# Altium PCB IPMC_TestBoard_PCB.PcbDoc (part 2 of 3)
Units mil, origin at the board's own origin, x right, y up, seen from the top; angles counter-clockwise.
Board outline 5433.07 x 5551.18 mil, 4 copper layers (Component Side, Ground Plane, Power Plane, Solder Side), stack 61.434 mil thick; 87 components, 228 nets, 1067 pads, 580 vias.
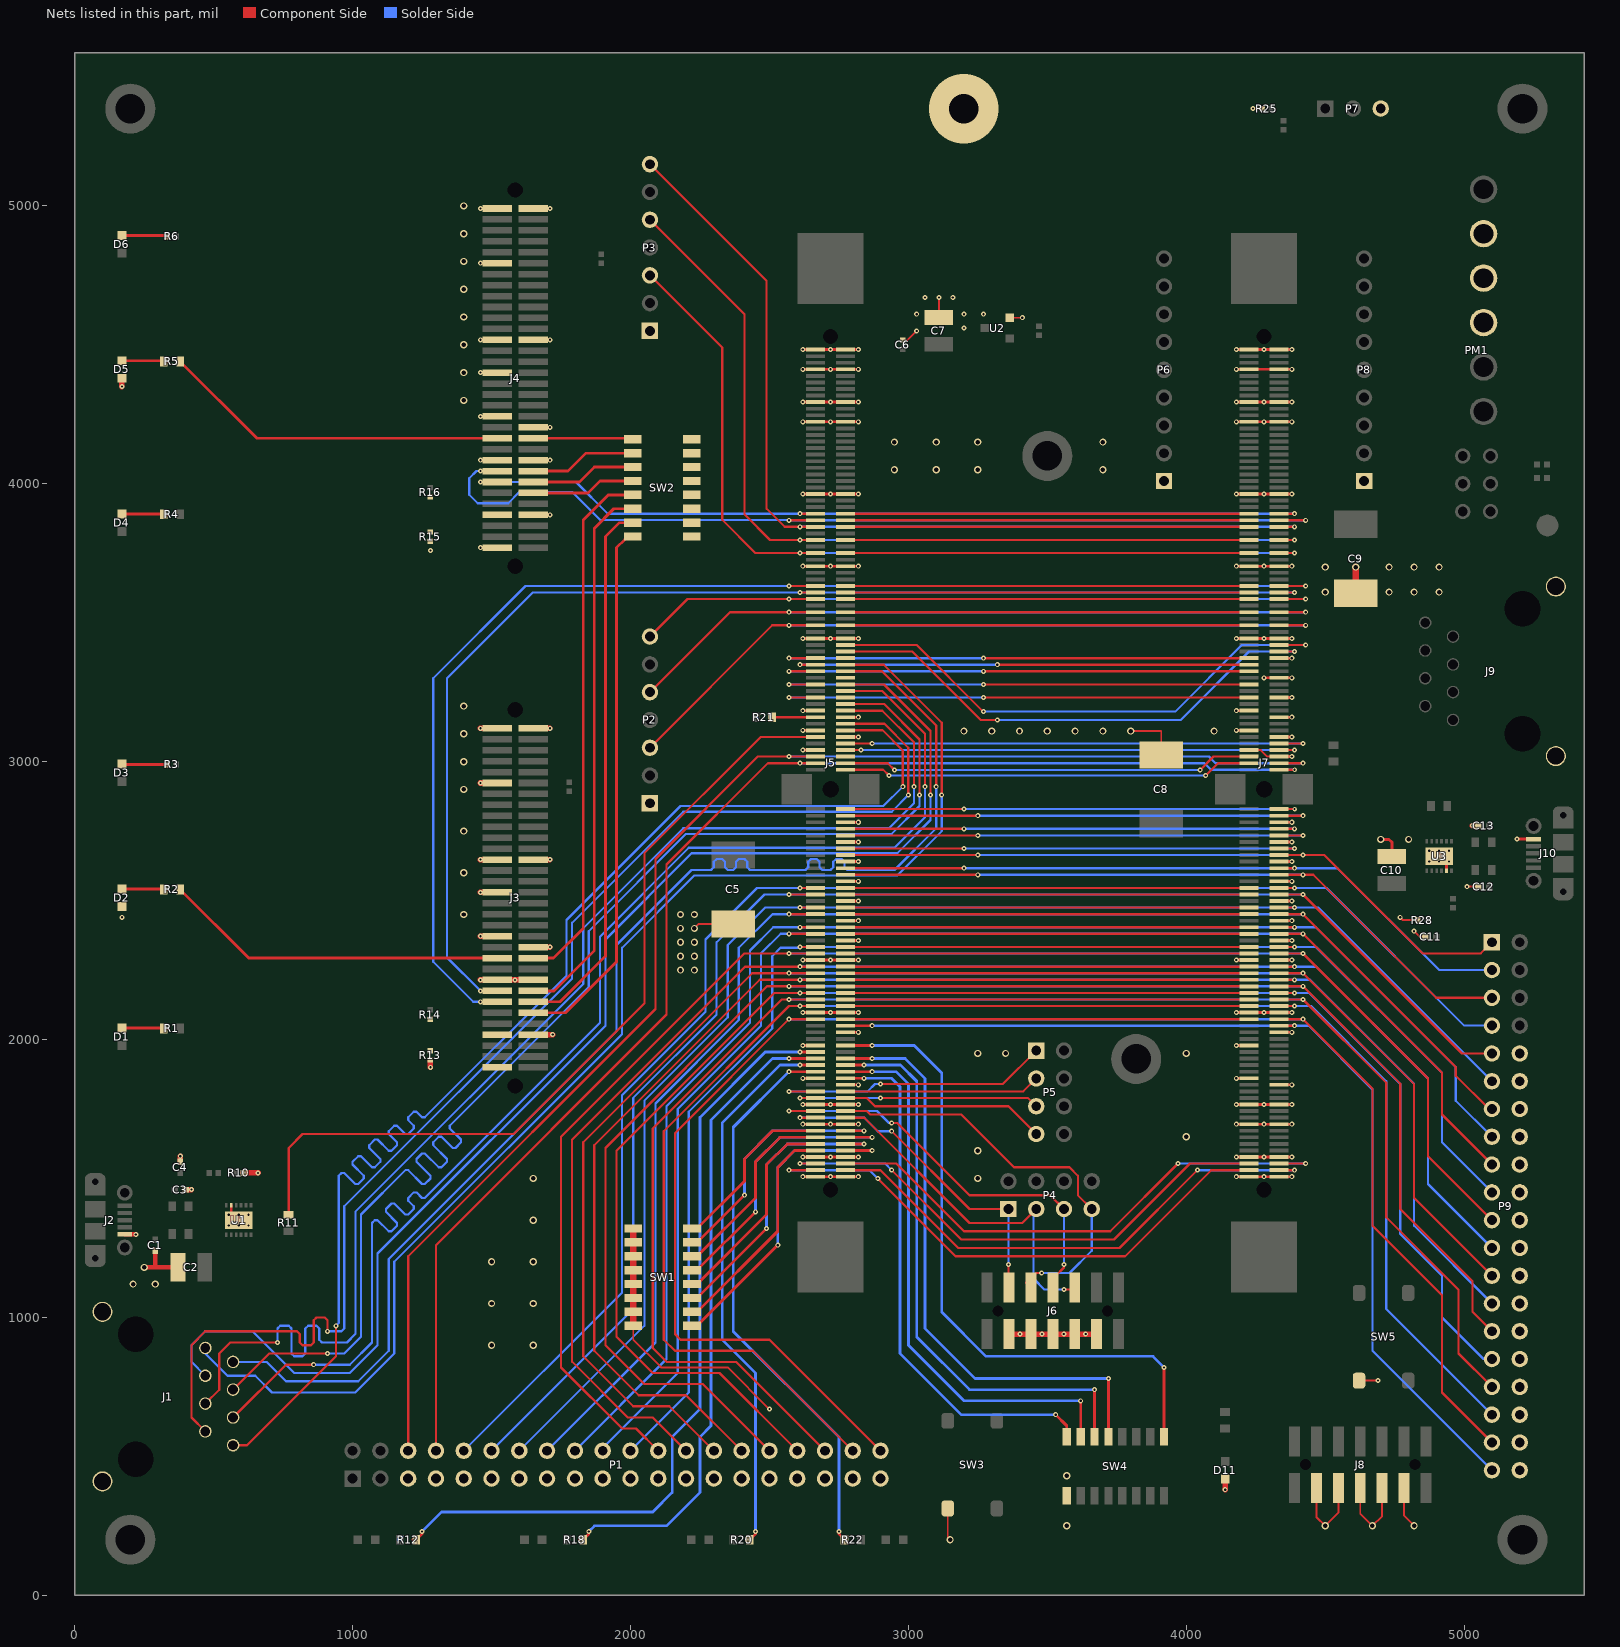
[diagram p4: the nets of this part, all layers, seen from the top]

## Via types
v1: diameter 18, hole 8, Component Side to Solder Side, tented both sides, 426 vias
v2: diameter 26, hole 16, Component Side to Solder Side, tented both sides, 132 vias
v3: diameter 18, hole 8, Component Side to Solder Side, 12 vias
v4: diameter 168, hole 106.3, Component Side to Solder Side, 4 vias
v5: diameter 17, hole 8, Component Side to Solder Side, tented both sides, 4 vias
v6: diameter 250, hole 106.3, Component Side to Solder Side, 2 vias

## Nets (pads, with @x,y where several pads share a name; then routed paths per layer and width w, separated by ;. In a path a pad name is that pad's centre, name@x,y a point inside that pad or via, vN(x,y) a via of type N, cw(c..) or ccw(c..) an arc to the next point about the centre after c; other vN are vias at no path point) (continued)
GND: C1.1 C2.1 C3.1 C4.1 C5.2 C6.1 C7.1 C8.2 C9.2 C10.1 C11.1 C12.1 C13.1 D2.2 D5.2 D11.2 J1.9 J1.10 J2.5 J3.2 J3.7 J3.17 J3.18 J3.23 J3.26 J3.34 J3.39 J3.40 J3.54 J3.63 J3.64 J4.2 J4.7 J4.17 J4.18 J4.23 J4.26 J4.34 J4.39 J4.40 J4.54 J4.63 J4.64 J5.1 J5.4 J5.9 J5.12 J5.23 J5.34 J5.45 J5.56 J5.59 J5.62 J5.89 J5.97 J5.102 J5.107 J5.111 J5.114 J5.119 J5.122 J5.123 J5.126 J5.131 J5.134 J5.145 J5.156 J5.167 J5.170 J5.173 J5.176 J5.179 J5.182 J5.185 J5.190 J5.193 J5.196 J5.199 J5.202 J5.205 J5.208 J5.211 J5.219 J5.222 J5.230 J5.233 J5.236 J5.241 J5.244 J6.3 J6.5 J6.7 J6.9 J6.11 J7.1 J7.4 J7.9 J7.12 J7.23 J7.34 J7.45 J7.56 J7.59 J7.62 J7.89 J7.97 J7.102 J7.107 J7.111 J7.114 J7.119 J7.122 J7.123 J7.126 J7.131 J7.134 J7.145 J7.156 J7.167 J7.170 J7.173 J7.176 J7.179 J7.182 J7.185 J7.190 J7.193 J7.196 J7.199 J7.202 J7.205 J7.208 J7.211 J7.219 J7.222 J7.230 J7.233 J7.236 J7.241 J7.244 J8.3 J8.5 J8.7 J8.9 J8.11 J9.9 J9.10 J10.5 P1.5 P1.7 P1.9 P1.11 P1.13 P1.15 P1.17 P1.19 P1.21 P1.23 P1.25 P1.27 P1.29 P1.31 P1.33 P1.35 P1.37 P1.39 P2.1 P3.1 P6.1 P7.3 P8.1 P9.10 P9.12 P9.14 P9.16 P9.18 P9.20 P9.22 P9.24 P9.26 P9.28 P9.30 P9.32 P9.34 P9.36 P9.38 P9.40 PM1.9 PM1.10 PM1.11 R10.1 R13.1 R15.1 R25.1 R28.1 SW1.1 SW1.2 SW1.3 SW1.4 SW1.5 SW1.6 SW1.7 SW1.8 SW2.1 SW2.2 SW2.3 SW2.4 SW2.5 SW2.6 SW2.7 SW2.8 SW3.4 SW4.1 SW5.4 U1.5 U1.13 U2.2 U3.5 U3.13 | length 12081.4
  Component Side w7: SW1.8@2010,970 2010,920 2110,820 2350,820 v1(2500,670) ; v2(2230,2400) 2245.98,2415.98 C5.2@2370,2415.98 ; C6.1@2980,4516.34 2996.34,4516.34 v1(3030,4550) ; C7.1@3110,4598.23 v1(3110,4670) ; SW3.4@3141.81,312.52 3141.81,208.19 v2(3150,200) ; U2.2@3365.08,4597.4 v1(3410,4597.4) ; v2(3800,3110) 3910,3110 C8.2@3910,3024.02 ; J7.62@4225.67,3041.73 4268.27,3041.73 4291.89,3018.11 J7.185@4334.33,3018.11 ; v1(4240,5350) R25.1@4273.66,5350 ; J8.3@4468.74,386.14 4468.74,281.26 v2(4500,250) 4547.48,297.48 J8.5@4547.48,386.14 ; SW5.4@4621.81,772.52 v1(4690,772.52) ; J8.7@4626.22,386.14 4626.22,293.78 v2(4670,250) 4704.96,284.96 J8.9@4704.96,386.14 ; v1(4770,2440) 4780,2430 R28.1@4833.66,2430 ; J8.11@4783.7,386.14 4783.7,286.3 v2(4820,250) ; v1(4820,2390) 4840,2370 C11.1@4860.31,2370 ; v1(5010,2550) C12.1@5050.32,2550
  Component Side w10: U1.5@563.43,1403.15 563.43,1376.57 580.16,1359.84 U1.13@590,1350 ; v1(1460,3770) J4.2@1520,3770 ; v1(1460,4084.96) J4.18@1520,4084.96 ; v1(1460,4242.44) J4.26@1520,4242.44 ; v1(1460,4400) 1519.92,4400 J4.34@1520,4399.92 ; v1(1460,4518.03) J4.40@1520,4518.03 ; v1(1460,4793.62) J4.54@1520,4793.62 ; v1(1460,4990.47) J4.64@1520,4990.47 ; J4.7@1649.92,3888.11 v1(1710,3888.11) ; J4.17@1649.92,4084.96 v1(1710,4084.96) ; J4.23@1649.92,4203.07 v1(1710,4203.07) ; J4.39@1649.92,4518.03 v1(1710,4518.03) ; J4.63@1649.92,4990.47 v1(1710,4990.47) ; v1(2620,1506.3) J5.122@2665.67,1506.3 v1(2720,1506.3) J5.244@2774.33,1506.3 v1(2820,1506.3) ; v1(2620,1577.17) J5.119@2665.67,1577.17 v1(2720,1577.17) J5.241@2774.33,1577.17 v1(2820,1577.17) ; v1(2620,1695.28) J5.114@2665.67,1695.28 v1(2720,1695.28) J5.236@2774.33,1695.28 v1(2820,1695.28) ; v1(2620,1766.14) J5.111@2665.67,1766.14 v1(2720,1766.14) J5.233@2774.33,1766.14 v1(2820,1766.14) ; v1(2620,1860.63) J5.107@2665.67,1860.63 ; v1(2620,1978.74) J5.102@2665.67,1978.74 ; v1(2620,2096.85) J5.97@2665.67,2096.85 v1(2720,2096.85) J5.219@2774.33,2096.85 v1(2820,2096.85) ; v1(2620,2285.83) J5.89@2665.67,2285.83 v1(2720,2285.83) J5.211@2774.33,2285.83 v1(2820,2285.83) ; v1(2620,3041.73) J5.62@2665.67,3041.73 ; v1(2620,3112.6) J5.59@2665.67,3112.6 ; v1(2620,3183.46) J5.56@2665.67,3183.46 ; v1(2620,3443.31) J5.45@2665.67,3443.31 v1(2720,3443.31) J5.167@2774.33,3443.31 v1(2820,3443.31) ; v1(2620,3703.15) J5.34@2665.67,3703.15 v1(2720,3703.15) J5.156@2774.33,3703.15 v1(2820,3703.15) ; v1(2620,3962.99) J5.23@2665.67,3962.99 v1(2720,3962.99) J5.145@2774.33,3962.99 v1(2820,3962.99) ; v1(2620,4222.83) J5.12@2665.67,4222.83 v1(2720,4222.83) J5.134@2774.33,4222.83 v1(2820,4222.83) ; v1(2620,4293.7) J5.9@2665.67,4293.7 v1(2720,4293.7) J5.131@2774.33,4293.7 v1(2820,4293.7) ; v1(2620,4411.81) J5.4@2665.67,4411.81 v1(2720,4411.81) J5.126@2774.33,4411.81 v1(2820,4411.81) ; v1(2620,4482.68) J5.1@2665.67,4482.68 v1(2720,4482.68) J5.123@2774.33,4482.68 v1(2820,4482.68) ; J5.230@2774.33,1837.01 v1(2820,1837.01) ; J5.222@2774.33,2025.98 v1(2820,2025.98) ; J5.208@2774.33,2356.69 v1(2820,2356.69) ; J5.205@2774.33,2427.56 v1(2820,2427.56) ; J5.202@2774.33,2498.43 v1(2820,2498.43) ; J5.199@2774.33,2569.29 v1(2820,2569.29) ; J5.196@2774.33,2640.16 v1(2819.84,2640.16) v1@2820,2640 ; J5.193@2774.33,2711.02 v1(2820,2711.02) ; J5.190@2774.33,2781.89 v1(2820,2781.89) ; J5.182@2774.33,3088.98 v1(2820,3088.98) ; J5.179@2774.33,3159.84 2820,3159.84 v1(2820,3160) ; v1(4180,1506.3) J7.122@4225.67,1506.3 v1(4280,1506.3) J7.244@4334.33,1506.3 v1(4380,1506.3) ; v1(4180,1577.17) J7.119@4225.67,1577.17 v1(4280,1577.17) J7.241@4334.33,1577.17 v1(4380,1577.17) ; v1(4180,1695.28) J7.114@4225.67,1695.28 v1(4280,1695.28) J7.236@4334.33,1695.28 v1(4380,1695.28) ; v1(4180,1766.14) J7.111@4225.67,1766.14 v1(4280,1766.14) J7.233@4334.33,1766.14 v1(4380,1766.14) ; v1(4180,1860.63) J7.107@4225.67,1860.63 ; v1(4180,1978.74) J7.102@4225.67,1978.74 ; v1(4180,2096.85) J7.97@4225.67,2096.85 v1(4280,2096.85) J7.219@4334.33,2096.85 v1(4380,2096.85) ; v1(4180,2285.83) J7.89@4225.67,2285.83 ; v1(4180,3112.6) J7.59@4225.67,3112.6 ; v1(4180,3183.46) J7.56@4225.67,3183.46 ; v1(4180,3443.31) J7.45@4225.67,3443.31 v1(4280,3443.31) J7.167@4334.33,3443.31 v1(4380,3443.31) ; v1(4180,3703.15) J7.34@4225.67,3703.15 v1(4280,3703.15) J7.156@4334.33,3703.15 v1(4380,3703.15) ; v1(4180,3962.99) J7.23@4225.67,3962.99 v1(4280,3962.99) J7.145@4334.33,3962.99 v1(4380,3962.99) ; v1(4180,4222.83) J7.12@4225.67,4222.83 v1(4280,4222.83) J7.134@4334.33,4222.83 v1(4380,4222.83) ; v1(4180,4293.7) J7.9@4225.67,4293.7 v1(4280,4293.7) J7.131@4334.33,4293.7 v1(4380,4293.7) ; v1(4180,4411.81) J7.4@4225.67,4411.81 J7.126@4334.33,4411.81 v1(4380,4411.81) ; v1(4180,4482.68) J7.1@4225.67,4482.68 v1(4280,4482.68) J7.123@4334.33,4482.68 v1(4380,4482.68) ; v1(4280,3301.57) J7.173@4334.33,3301.57 v1(4380,3301.57) ; J7.230@4334.33,1837.01 v1(4380,1837.01) ; J7.222@4334.33,2025.98 v1(4380,2025.98) ; J7.211@4334.33,2285.83 v1(4380,2285.83) ; J7.208@4334.33,2356.69 v1(4380,2356.69) ; J7.205@4334.33,2427.56 v1(4380,2427.56) ; J7.202@4334.33,2498.43 v1(4380,2498.43) ; J7.199@4334.33,2569.29 v1(4380,2569.29) ; J7.196@4334.33,2640.16 v1(4380,2640.16) ; J7.193@4334.33,2711.02 v1(4380,2711.02) ; J7.190@4334.33,2781.89 v1(4380,2781.89) ; J7.185@4334.33,3018.11 v1(4380,3018.11) ; J7.182@4334.33,3088.98 v1(4380,3088.98) ; J7.179@4334.33,3159.84 v1(4380,3159.84) ; J7.176@4334.33,3230.71 v1(4380,3230.71) ; J7.170@4334.33,3372.44 v1(4380,3372.44) ; v2(4700,2720) 4730,2720 4740,2710 C10.1@4740,2658.23 ; U3.13@4910,2660 4919.84,2650.16 4936.57,2633.43 U3.5@4936.57,2606.85 ; v1(5190,2721.18) J10.5@5230,2721.18
  Component Side w16: J2.5@180,1298.82 v1(220,1298.82) ; v2(250,1180) 290,1180 ; C1.1@290,1240.32 290,1180 ; C2.1@371.77,1180 290,1180
  Component Side w20: v1(170,4350) D5.2@170,4380 ; C4.1@380,1559.69 v1(380,1580) ; C3.1@399.69,1460 v1(420,1460) ; R10.1@606.34,1520 v1(660,1520) ; v1(1280,1900) R13.1@1280,1927.32 ; v1(1460,2214.49) J3.18@1520,2214.49 v1(1584.96,2214.49) J3.17@1649.92,2214.49 ; v1(1460,2371.97) J3.26@1520,2371.97 ; v1(1460,2529.45) J3.34@1520,2529.45 ; v1(1460,2647.56) J3.40@1520,2647.56 ; v1(1460,2923.15) J3.54@1520,2923.15 ; v1(1460,3120) J3.64@1520,3120 ; J3.7@1649.92,2017.64 v1(1720,2017.64) ; J3.23@1649.92,2332.6 v1(1710,2332.6) ; J3.39@1649.92,2647.56 v1(1710,2647.56) ; J3.63@1649.92,3120 v1(1710,3120) ; J6.3@3362.52,940 v1(3401.89,940) J6.5@3441.26,940 v1(3480.63,940) J6.7@3520,940 v1(3559.37,940) J6.9@3598.74,940 v1(3638.11,940) J6.11@3677.48,940 ; v1(4140,380) D11.2@4140,418.5 ; v1(5030,2770) C13.1@5050.32,2770
  Component Side w25: SW1.8@2010,970 SW1.7@2010,1020 SW1.6@2010,1070 SW1.5@2010,1120 SW1.4@2010,1170 SW1.3@2010,1220 SW1.2@2010,1270 SW1.1@2010,1320 ; C9.2@4610,3605.98 v2(4610,3700)
  other v1: 170,2440 1280,3760 3200,4560 3030,4610 3200,4610 3270,4610 3060,4670 3160,4670
  other v2: 3570,250 3570,430 1500,900 1650,900 1500,1050 1650,1050 210,1120 290,1120 1500,1200 1650,1200 1650,1350 1650,1500 3250,1500 3250,1600 4000,1650 3250,1950 3350,1950 4000,1950 2180,2250 2230,2250 2180,2300 2230,2300 2180,2350 2230,2350 2180,2400 1400,2450 2180,2450 2230,2450 1400,2600 4800,2720 1400,2750 1400,2900 1400,3000 1400,3100 3200,3110 3300,3110 3400,3110 3500,3110 3600,3110 3700,3110 4100,3110 1400,3200 4500,3610 4730,3610 4820,3610 4910,3610 4500,3700 4730,3700 4820,3700 4910,3700 2950,4050 3100,4050 3250,4050 3700,4050 2950,4150 3100,4150 3250,4150 3700,4150 1400,4300 1400,4400 1400,4500 1400,4600 1400,4700 1400,4800 1400,4900 1400,5000
  other v3: 554.57,1330.32 590,1330.32 625.43,1330.32 554.57,1369.69 590,1369.69 625.43,1369.69 4874.57,2640.32 4910,2640.32 4945.43,2640.32 4874.57,2679.69 4910,2679.69 4945.43,2679.69
  other v6: 3200,5350
IPMB-A_SCL: J5.120 J7.120 | length 1897.9
  Component Side w8: v1(2610,1553.54) J5.120@2665.67,1553.54 ; v1(2940,1530) 3190,1280 3740,1280 4013.54,1553.54 J7.120@4225.67,1553.54
  Solder Side w8: v1(2610,1553.54) 2916.46,1553.54 v1(2940,1530)
IPMB-A_SDA: J5.121 J7.121 | length 2008.1
  Component Side w8: v1(2570,1529.92) J5.121@2665.67,1529.92 ; v1(2890,1500) 3170,1220 3780,1220 4089.92,1529.92 J7.121@4225.67,1529.92
  Solder Side w8: v1(2570,1529.92) 2860.08,1529.92 v1(2890,1500)
IPMB-B_SCL: J5.242 J7.242 | length 1953.1
  Component Side w8: J5.242@2774.33,1553.54 2956.46,1553.54 3200,1310 3726.46,1310 v1(3970,1553.54) ; J7.242@4334.33,1553.54 v1(4430,1553.54)
  Solder Side w8: v1(3970,1553.54) v1(4430,1553.54)
IPMB-B_SDA: J5.243 J7.243 | length 1903.3
  Component Side w8: J5.243@2774.33,1529.92 2900.08,1529.92 3180,1250 3760,1250 v1(4040,1530) ; J7.243@4334.33,1529.92 v1(4390,1529.92)
  Solder Side w8: v1(4040,1530) 4040.08,1529.92 v1(4390,1529.92)
IPMB-L_SCL_1: J5.148 J7.26 | length 1451.3
  Component Side w8: J5.148@2774.33,3892.13 J7.26@4225.67,3892.13
IPMB-L_SCL_3: J5.159 J7.37 | length 1451.3
  Component Side w8: J5.159@2774.33,3632.28 J7.37@4225.67,3632.28
IPMB-L_SCL_4: J5.48 J7.48 | length 1751.3
  Component Side w8: v1(2570,3372.44) J5.48@2665.67,3372.44 ; v1(3270,3372.44) J7.48@4225.67,3372.44
  Solder Side w8: v1(2570,3372.44) v1(3270,3372.44)
IPMB-L_SDA_1: J5.149 J7.27 | length 1451.3
  Component Side w8: J5.149@2774.33,3868.5 J7.27@4225.67,3868.5
IPMB-L_SDA_3: J5.160 J7.38 | length 1451.3
  Component Side w8: J5.160@2774.33,3608.66 J7.38@4225.67,3608.66
IPMB-L_SDA_4: J5.49 J7.49 | length 1671.3
  Component Side w8: v1(2610,3348.82) J5.49@2665.67,3348.82 ; v1(3320,3348.82) J7.49@4225.67,3348.82
  Solder Side w8: v1(2610,3348.82) v1(3320,3348.82)
IPMC_ALARM_A: J5.226 SW4.13 | length 2159.8
  Component Side w10: J5.226@2774.33,1931.5 v1(2870,1931.5) ; SW4.13@3720,570 v1(3720,780)
  Solder Side w10: v1(2870,1931.5) 2988.5,1931.5 3060,1860 3060,960 3240,780 v1(3720,780)
IPMC_ALARM_B: J5.227 SW4.14 | length 2088.3
  Component Side w10: J5.227@2774.33,1907.87 v1(2840,1907.87) ; SW4.14@3670,570 v1(3670,740)
  Solder Side w10: v1(2840,1907.87) 2972.13,1907.87 3030,1850 3030,930 3220,740 v1(3670,740)
IPMC_ATCA_BLUE_LED: J5.103 R12.1 | length 2911.3
  Component Side w10: R12.1@1216.34,200 1220,200 R12.1@1224.76,204.76 ; R12.1@1229.53,200 1250,220.47 v1(1250,230) ; v1(2610,1955.12) J5.103@2665.67,1955.12
  Solder Side w10: v1(1250,230) 1320,300 2080,300 2150,370 2150,570 2250,670 2250,1720 2485.12,1955.12 v1(2610,1955.12)
IPMC_ATCA_LED1: J5.104 R18.1 | length 2330.9
  Component Side w10: R18.1@1816.34,200 1820,200 R18.1@1824.76,204.76 ; R18.1@1829.53,200 1850,220.47 v1(1850,230) ; v1(2570,1931.5) J5.104@2665.67,1931.5
  Solder Side w10: v1(1850,230) 1870,250 2130,250 2250,370 2250,570 2290,610 2290,1710 2511.5,1931.5 v1(2570,1931.5)
IPMC_ATCA_LED2: J5.105 R20.1 | length 1990.4
  Component Side w10: R20.1@2416.34,200 2420,200 R20.1@2424.76,204.76 ; R20.1@2429.53,200 2450,220.47 v1(2450,230) ; v1(2610,1907.87) J5.105@2665.67,1907.87
  Solder Side w10: v1(2450,230) 2450,800 2330,920 2330,1700 2537.87,1907.87 v1(2610,1907.87)
IPMC_ATCA_LED3: J5.106 R22.1 | length 2029.1
  Component Side w10: v1(2570,1884.25) J5.106@2665.67,1884.25 ; v1(2750,230) 2750,220.47 R22.1@2770,200.47 ; R22.1@2770,200 R22.1@2770,200.47 ; R22.1@2770.47,200 R22.1@2770,200.47
  Solder Side w10: v1(2570,1884.25) 2370,1684.25 2370,950 2750,570 v1(2750,230)
IPMC_GB_A_N: J1.2 J5.172 | length 4761
  Component Side w8: J5.172@2774.33,3325.2 2904.8,3325.2 3100,3130 v1(3100,2910)
  Solder Side w8: J1.2@570,840 690,840 760,770 1020,770 1130,880 1130,1210 1950,2030 1950,2340 2220,2610 2290,2610 2300,2620 2300,2640 2310,2650 2330,2650 2340,2640 2340,2620 2350,2610 2370,2610 2380,2620 2380,2640 2390,2650 2410,2650 2420,2640 2420,2620 2430,2610 2630,2610 2640,2620 2640,2640 2650,2650 2670,2650 2680,2640 2680,2620 2690,2610 2720,2610 2730,2620 2730,2640 2740,2650 2760,2650 2770,2640 2770,2620 2780,2610 2950,2610 3100,2760 v1(3100,2910)
IPMC_GB_A_P: J1.1 J5.171 | length 4761.8
  Component Side w8: J5.171@2774.33,3348.82 2911.18,3348.82 3120,3140 v1(3120,2880)
  Solder Side w8: J1.1@470,890 470,870 550,790 650,790 710,730 1010,730 1150,870 1150,1200 1970,2020 1970,2330 2230,2590 2960,2590 3120,2750 v1(3120,2880)
IPMC_GB_B_N: J1.6 J5.175 | length 4694.1
  Component Side w8: J1.6@570,640 760,830 v1(860,830) ; J5.175@2774.33,3254.33 2905.67,3254.33 3060,3100 v1(3060,2910)
  Solder Side w8: v1(860,830) 990,830 1070,910 1070,1340 1080,1350 1090,1350 1130,1310 1140,1310 1160,1330 1160,1340 1120,1380 1120,1390 1140,1410 1150,1410 1190,1370 1200,1370 1220,1390 1220,1400 1200,1420 1200,1430 1220,1450 1230,1450 1250,1430 1260,1430 1890,2060 1890,2370 2210,2690 2950,2690 3060,2800 v1(3060,2910)
IPMC_GB_B_P: J1.3 J5.174 | length 4768
  Component Side w8: J5.174@2774.33,3277.95 2912.05,3277.95 3080,3110 v1(3080,2880)
  Solder Side w8: J1.3@470,790 420,840 420,900 470,950 640,950 790,800 990,800 1090,900 1090,1230 1910,2050 1910,2360 2220,2670 2960,2670 3080,2790 v1(3080,2880)
IPMC_GB_C_N: J1.5 J5.178 | length 4707.4
  Component Side w8: J1.5@470,690 520,740 520,870 560,910 v1(730,910) ; J5.178@2774.33,3183.46 2906.54,3183.46 3020,3070 v1(3020,2910)
  Solder Side w8: v1(730,910) 730,960 740,970 770,970 780,960 780,870 790,860 820,860 830,870 830,960 840,970 870,970 880,960 880,920 890,910 980,910 1010,940 1010,1380 1830,2200 1830,2400 2190,2760 2930,2760 3020,2850 v1(3020,2910)
IPMC_GB_C_P: J1.4 J5.177 | length 4704.2
  Component Side w8: J1.4@570,740 700,870 v1(910,870) ; J5.177@2774.33,3207.09 2912.91,3207.09 3040,3080 v1(3040,2880)
  Solder Side w8: v1(910,870) 970,870 1030,930 1030,1370 1190,1530 1200,1530 1250,1480 1260,1480 1280,1500 1280,1510 1230,1560 1230,1570 1250,1590 1260,1590 1310,1540 1320,1540 1340,1560 1340,1570 1290,1620 1290,1630 1310,1650 1320,1650 1360,1610 1370,1610 1390,1630 1390,1640 1350,1680 1350,1690 1850,2190 1850,2390 2200,2740 2940,2740 3040,2840 v1(3040,2880)
IPMC_GB_D_N: J1.8 J5.181 | length 4697.2
  Component Side w8: J1.8@570,540 620,540 940,860 v1(940,970) ; J5.181@2774.33,3112.6 2907.4,3112.6 2980,3040 v1(2980,2910)
  Solder Side w8: v1(940,970) 950,980 950,1510 960,1520 970,1520 1010,1480 1020,1480 1040,1500 1040,1510 1000,1550 1000,1560 1020,1580 1030,1580 1070,1540 1080,1540 1100,1560 1100,1570 1060,1610 1060,1620 1080,1640 1090,1640 1130,1600 1140,1600 1160,1620 1160,1630 1130,1660 1130,1670 1150,1690 1160,1690 1190,1660 1200,1660 1220,1680 1220,1690 1200,1710 1200,1720 1220,1740 1230,1740 1250,1720 1260,1720 1770,2230 1770,2430 2180,2840 2910,2840 v1(2980,2910)
IPMC_GB_D_P: J1.7 J5.180 | length 4707.9
  Component Side w8: J1.7@470,590 420,640 420,900 470,950 800,950 810,940 810,910 820,900 850,900 860,910 860,990 870,1000 900,1000 910,990 v1(910,950) ; J5.180@2774.33,3136.22 2913.78,3136.22 3000,3050 v1(3000,2880)
  Solder Side w8: v1(910,950) 960,950 970,960 970,1400 1790,2220 1790,2420 2190,2820 2940,2820 v1(3000,2880)
IPMC_GPIO_0: J5.168 J7.168 | length 1949.9
  Component Side w8: J5.168@2774.33,3419.69 3030.31,3419.69 v1(3270,3180) ; J7.168@4334.33,3419.69 v1(4430,3419.69)
  Solder Side w8: v1(3270,3180) 3960,3180 4199.69,3419.69 v1(4430,3419.69)
IPMC_GPIO_1: J5.169 J7.169 | length 1875.2
  Component Side w8: J5.169@2774.33,3396.06 3013.94,3396.06 3260,3150 v1(3320,3150) ; J7.169@4334.33,3396.06 v1(4390,3396.06)
  Solder Side w8: v1(3320,3150) 3980,3150 4226.06,3396.06 v1(4390,3396.06)
IPMC_GPIO_2: J5.183 J7.183 | length 1731.3
  Component Side w8: J5.183@2774.33,3065.35 v1(2870,3065.35) ; J7.183@4334.33,3065.35 v1(4420,3065.35)
  Solder Side w8: v1(2870,3065.35) v1(4420,3065.35)
IPMC_GPIO_3: J5.184 J7.184 | length 1671.3
  Component Side w8: J5.184@2774.33,3041.73 v1(2830,3041.73) ; J7.184@4334.33,3041.73 v1(4390,3041.73)
  Solder Side w8: v1(2830,3041.73) v1(4390,3041.73)
IPMC_GPIO_4: J5.63 J7.186 P1.6 | length 5172.2
  Component Side w8: P1.6@1200,520 1200,1220 2090,2110 2090,2650 2458.11,3018.11 v1(2570,3018.11) J5.63@2665.67,3018.11 ; J7.186@4334.33,2994.49 v1(4420,2994.49)
  Solder Side w8: v1(2570,3018.11) 4081.89,3018.11 4105.51,2994.49 v1(4420,2994.49)
IPMC_GPIO_5: J5.64 J7.187 P1.8 | length 4985.9
  Component Side w8: P1.8@1300,520 1300,1260 2130,2090 2130,2630 2494.49,2994.49 v1(2610,2994.49) J5.64@2665.67,2994.49 ; J7.187@4334.33,2970.87 v5(4390,2970.87)
  Solder Side w8: v1(2610,2994.49) 4065.51,2994.49 4089.13,2970.87 v5(4390,2970.87)
IPMC_GPIO_6: J5.186 J7.63 | length 1481.4
  Component Side w8: J5.186@2774.33,2994.49 2925.51,2994.49 v1(2950,2970) ; v1(4050,2970) 4098.11,3018.11 J7.63@4225.67,3018.11
  Solder Side w8: v1(2950,2970) v1(4050,2970)
IPMC_GPIO_7: J5.187 J7.64 | length 1478.4
  Component Side w8: J5.187@2774.33,2970.87 2909.13,2970.87 v1(2930,2950) ; v1(4070,2950) 4114.49,2994.49 J7.64@4225.67,2994.49
  Solder Side w8: v1(2930,2950) v1(4070,2950)
IPMC_GPIO_8: J5.188 J7.188 | length 1671.3
  Component Side w8: J5.188@2774.33,2829.13 v1(3200,2829.13) ; J7.188@4334.33,2829.13 v5(4390,2829.13)
  Solder Side w8: v1(3200,2829.13) v5(4390,2829.13)
IPMC_GPIO_9: J5.189 J7.189 | length 1731.3
  Component Side w8: J5.189@2774.33,2805.51 v1(3250,2805.51) ; J7.189@4334.33,2805.51 v1(4420,2805.51)
  Solder Side w8: v1(3250,2805.51) v1(4420,2805.51)
IPMC_GPIO_10: J5.191 J7.191 | length 1671.3
  Component Side w8: J5.191@2774.33,2758.27 v1(3200,2758.27) ; J7.191@4334.33,2758.27 v1(4390,2758.27)
  Solder Side w8: v1(3200,2758.27) v1(4390,2758.27)
IPMC_GPIO_11: J5.192 J7.192 | length 1731.3
  Component Side w8: J5.192@2774.33,2734.65 v1(3250,2734.65) ; J7.192@4334.33,2734.65 v1(4420,2734.65)
  Solder Side w8: v1(3250,2734.65) v1(4420,2734.65)
IPMC_GPIO_12: J5.194 J7.194 | length 1671.3
  Component Side w8: J5.194@2774.33,2687.4 v1(3200,2687.4) ; J7.194@4334.33,2687.4 v1(4390,2687.4)
  Solder Side w8: v1(3200,2687.4) v1(4390,2687.4)
IPMC_GPIO_13: J5.195 J7.195 P9.1 | length 2574.4
  Component Side w8: J5.195@2774.33,2663.78 v1(3250,2663.78) ; J7.195@4334.33,2663.78 v1(4420,2663.78) 4496.22,2663.78 4850,2310 5060,2310 P9.1@5100,2350
  Solder Side w8: v1(3250,2663.78) v1(4420,2663.78)
IPMC_GPIO_14: J5.197 J7.197 P9.3 | length 2533.2
  Component Side w8: J5.197@2774.33,2616.54 v1(3200,2616.54) ; J7.197@4334.33,2616.54 v1(4390,2616.54)
  Solder Side w8: v1(3200,2616.54) v1(4390,2616.54) 4543.46,2616.54 4910,2250 P9.3@5100,2250
IPMC_GPIO_15: J5.198 J7.198 P9.5 | length 2594.8
  Component Side w8: J5.198@2774.33,2592.91 v1(3250,2592.91) ; J7.198@4334.33,2592.91 v1(4420,2592.91) 4457.09,2592.91 4900,2150 P9.5@5100,2150
  Solder Side w8: v1(3250,2592.91) v1(4420,2592.91)
IPMC_GPIO_16: J5.78 J7.200 P1.10 P9.7 | length 5423.9
  Component Side w8: v1(2610,2545.67) J5.78@2665.67,2545.67 ; J7.200@4334.33,2545.67 v1(4390,2545.67)
  Solder Side w8: P1.10@1400,520 1970,1090 1970,1800 2270,2100 2270,2360 2455.67,2545.67 v1(2610,2545.67) v1(4390,2545.67) 4504.33,2545.67 5000,2050 P9.7@5100,2050
IPMC_GPIO_17: J5.200 J7.78 | length 1451.3
  Component Side w8: J5.200@2774.33,2545.67 J7.78@4225.67,2545.67
IPMC_GPIO_18: J5.79 J7.201 P1.12 P9.9 | length 5445.1
  Component Side w8: v1(2570,2522.05) J5.79@2665.67,2522.05 ; J7.201@4334.33,2522.05 v1(4420,2522.05) 4992.05,1950 P9.9@5100,1950
  Solder Side w8: P1.12@1500,520 2010,1030 2010,1790 2310,2090 2310,2350 2482.05,2522.05 v1(2570,2522.05) v1(4420,2522.05)
IPMC_GPIO_19: J5.201 J7.79 | length 1451.3
  Component Side w8: J5.201@2774.33,2522.05 J7.79@4225.67,2522.05
IPMC_GPIO_20: J5.81 J7.203 P1.14 P9.11 | length 5306.6
  Component Side w8: v1(2610,2474.8) J5.81@2665.67,2474.8 ; J7.203@4334.33,2474.8 v1(4390,2474.8)
  Solder Side w8: P1.14@1600,520 2050,970 2050,1780 2350,2080 2350,2340 2484.8,2474.8 v1(2610,2474.8) v1(4390,2474.8) 4475.2,2474.8 P9.11@5100,1850
IPMC_GPIO_21: J5.203 J7.81 | length 1451.3
  Component Side w8: J5.203@2774.33,2474.8 J7.81@4225.67,2474.8
IPMC_GPIO_22: J5.82 J7.204 P1.16 P9.13 | length 5346
  Component Side w8: v1(2570,2451.18) J5.82@2665.67,2451.18 ; J7.204@4334.33,2451.18 v1(4420,2451.18) 4970,1901.18 4970,1870 5090,1750 P9.13@5100,1750
  Solder Side w8: P1.16@1700,520 2090,910 2090,1770 2390,2070 2390,2330 2511.18,2451.18 v1(2570,2451.18) v1(4420,2451.18)
IPMC_GPIO_23: J5.204 J7.82 | length 1451.3
  Component Side w8: J5.204@2774.33,2451.18 J7.82@4225.67,2451.18
IPMC_GPIO_24: J5.84 J7.206 P1.18 P9.15 | length 5259.6
  Component Side w8: v1(2610,2403.94) J5.84@2665.67,2403.94 ; J7.206@4334.33,2403.94 v1(4390,2403.94)
  Solder Side w8: P1.18@1800,520 2130,850 2130,1760 2430,2060 2430,2320 2513.94,2403.94 v1(2610,2403.94) v1(4390,2403.94) 4466.06,2403.94 4970,1900 4970,1780 P9.15@5100,1650
IPMC_GPIO_25: J5.206 J7.84 | length 1451.3
  Component Side w8: J5.206@2774.33,2403.94 J7.84@4225.67,2403.94
IPMC_GPIO_26: J5.85 J7.207 P1.20 P9.17 | length 5298.5
  Component Side w8: v1(2570,2380.32) J5.85@2665.67,2380.32 ; J7.207@4334.33,2380.32 v1(4420,2380.32) 4920,1880.32 4920,1730 P9.17@5100,1550
  Solder Side w8: P1.20@1900,520 1900,530 2170,800 2170,1750 2470,2050 2470,2310 2540.31,2380.32 v1(2570,2380.32) v1(4420,2380.32)
IPMC_GPIO_27: J5.207 J7.85 | length 1451.3
  Component Side w8: J5.207@2774.33,2380.32 J7.85@4225.67,2380.32
IPMC_GPIO_28: J5.87 J7.209 P1.22 P9.19 | length 5218.5
  Component Side w8: v1(2610,2333.07) J5.87@2665.67,2333.07 ; J7.209@4334.33,2333.07 v1(4390,2333.07)
  Solder Side w8: P1.22@2000,520 2210,730 2210,1740 2510,2040 2510,2300 2540,2330 2606.93,2330 v1(2610,2333.07) v1(4390,2333.07) 4466.93,2333.07 4920,1880 4920,1630 P9.19@5100,1450
IPMC_GPIO_29: J5.209 J7.87 | length 1451.3
  Component Side w8: J5.209@2774.33,2333.07 J7.87@4225.67,2333.07
IPMC_GPIO_30: J5.88 J7.210 P1.24 P9.21 | length 5669.9
  Component Side w8: P1.24@2100,520 2020,600 1970,600 1750,820 1750,1650 2409.45,2309.45 v1(2570,2309.45) J5.88@2665.67,2309.45 ; J7.210@4334.33,2309.45 v1(4420,2309.45) 4870,1859.45 4870,1580 P9.21@5100,1350
  Solder Side w8: v1(2570,2309.45) v1(4420,2309.45)
IPMC_GPIO_31: J5.210 J7.88 | length 1451.3
  Component Side w8: J5.210@2774.33,2309.45 J7.88@4225.67,2309.45
IPMC_GPIO_32: J5.90 J7.212 P1.26 P9.23 | length 5663.5
  Component Side w8: P1.26@2200,520 2080,640 1990,640 1790,840 1790,1640 2412.2,2262.2 v1(2610,2262.2) J5.90@2665.67,2262.2 ; J7.212@4334.33,2262.2 v1(4390,2262.2)
  Solder Side w8: v1(2610,2262.2) v1(4390,2262.2) 4467.8,2262.2 4870,1860 4870,1480 P9.23@5100,1250
IPMC_GPIO_33: J5.212 J7.90 | length 1451.3
  Component Side w8: J5.212@2774.33,2262.2 J7.90@4225.67,2262.2
IPMC_GPIO_34: J5.91 J7.213 P1.28 P9.25 | length 5774.5
  Component Side w8: P1.28@2300,520 2140,680 2010,680 1830,860 1830,1630 2438.58,2238.58 v1(2570,2238.58) J5.91@2665.67,2238.58 ; J7.213@4334.33,2238.58 v1(4420,2238.58) 4820,1838.58 4820,1430 P9.25@5100,1150
  Solder Side w8: v1(2570,2238.58) v1(4420,2238.58)
IPMC_GPIO_35: J5.213 J7.91 | length 1451.3
  Component Side w8: J5.213@2774.33,2238.58 J7.91@4225.67,2238.58
IPMC_GPIO_36: J5.92 J7.214 P1.30 P9.27 | length 5788.2
  Component Side w8: P1.30@2400,520 2200,720 2030,720 1870,880 1870,1620 2464.96,2214.96 v1(2610,2214.96) J5.92@2665.67,2214.96 ; J7.214@4334.33,2214.96 v1(4390,2214.96)
  Solder Side w8: v1(2610,2214.96) v1(4390,2214.96) 4445.04,2214.96 4820,1840 4820,1330 P9.27@5100,1050
IPMC_GPIO_37: J5.214 J7.92 | length 1451.3
  Component Side w8: J5.214@2774.33,2214.96 J7.92@4225.67,2214.96
IPMC_GPIO_38: J5.93 J7.215 P1.32 P9.29 | length 5912.5
  Component Side w8: P1.32@2500,520 2260,760 2050,760 1910,900 1910,1610 2491.34,2191.34 v1(2570,2191.34) J5.93@2665.67,2191.34 ; J7.215@4334.33,2191.34 v1(4420,2191.34) 4770,1841.34 4770,1390 5030,1130 5030,1020 P9.29@5100,950
  Solder Side w8: v1(2570,2191.34) v1(4420,2191.34)
IPMC_GPIO_39: J5.215 J7.93 | length 1451.3
  Component Side w8: J5.215@2774.33,2191.34 J7.93@4225.67,2191.34
IPMC_GPIO_40: J5.94 J7.216 P1.34 P9.31 | length 5936.3
  Component Side w8: P1.34@2600,520 2320,800 2080,800 1950,930 1950,1600 2517.72,2167.72 v1(2610,2167.72) J5.94@2665.67,2167.72 ; J7.216@4334.33,2167.72 v1(4390,2167.72)
  Solder Side w8: v1(2610,2167.72) v1(4390,2167.72) 4442.28,2167.72 4770,1840 4770,1300 4920,1150 4920,1000 5070,850 P9.31@5100,850
IPMC_GPIO_41: J5.216 J7.94 | length 1451.3
  Component Side w8: J5.216@2774.33,2167.72 J7.94@4225.67,2167.72
IPMC_GPIO_42: J5.95 J7.217 P1.36 P9.33 | length 5952.6
  Component Side w8: J5.95@2665.67,2144.09 v1(2570,2144.09) 2544.09,2144.09 2080,1680 2080,890 2130,840 2380,840 P1.36@2700,520 ; J7.217@4334.33,2144.09 v1(4420,2144.09) 4720,1844.09 4720,1360 4980,1100 4980,870 P9.33@5100,750
  Solder Side w8: v1(2570,2144.09) v1(4420,2144.09)
IPMC_GPIO_43: J5.217 J7.95 | length 1451.3
  Component Side w8: J5.217@2774.33,2144.09 J7.95@4225.67,2144.09
IPMC_GPIO_44: J5.96 J7.218 P1.38 P9.35 | length 5963.1
  Component Side w8: J5.96@2665.67,2120.47 v1(2610,2120.47) 2570.47,2120.47 2120,1670 2120,920 2160,880 2440,880 P1.38@2800,520 ; J7.218@4334.33,2120.47 v1(4390,2120.47)
  Solder Side w8: v1(2610,2120.47) v1(4390,2120.47) 4449.53,2120.47 4720,1850 4720,1030 P9.35@5100,650
IPMC_GPIO_45: J5.218 J7.96 | length 1451.3
  Component Side w8: J5.218@2774.33,2120.47 J7.96@4225.67,2120.47
IPMC_GPIO_46: J5.98 J7.220 P1.40 P9.37 | length 6053.3
  Component Side w8: J5.98@2665.67,2073.23 v1(2570,2073.23) 2160,1663.23 2160,940 2180,920 2500,920 P1.40@2900,520 ; J7.220@4334.33,2073.23 v1(4420,2073.23) 4670,1823.23 4670,1330 4920,1080 4920,730 P9.37@5100,550
  Solder Side w8: v1(2570,2073.23) v1(4420,2073.23)
IPMC_GPIO_47: J5.220 J7.98 | length 1451.3
  Component Side w8: J5.220@2774.33,2073.23 J7.98@4225.67,2073.23
IPMC_GPIO_48: J5.221 J7.221 P9.39 | length 3594.6
  Component Side w8: J5.221@2774.33,2049.61 v1(2870,2049.61) ; J7.221@4334.33,2049.61 v1(4390,2049.61)
  Solder Side w8: v1(2870,2049.61) v1(4390,2049.61) 4440.39,2049.61 4670,1820 4670,880 P9.39@5100,450
IPMC_HA0: J5.115 SW1.16 | length 618.2
  Component Side w10: SW1.16@2240,1320 2410,1490 2410,1570 2511.65,1671.65 J5.115@2665.67,1671.65
IPMC_HA1: J5.237 SW1.15 | length 926.8
  Component Side w10: SW1.15@2221.42,1270 2240,1270 v1(2410,1440) ; J5.237@2774.33,1671.65 v1(2840,1671.65)
  Solder Side w10: v1(2410,1440) 2410,1570 2511.65,1671.65 v1(2840,1671.65)
IPMC_HA2: J5.116 SW1.14 | length 679.1
  Component Side w10: SW1.14@2240,1220 2450,1430 2450,1560 2538.03,1648.03 J5.116@2665.67,1648.03
IPMC_HA3: J5.238 SW1.13 | length 1047.7
  Component Side w10: SW1.13@2221.42,1170 2240,1170 v1(2450,1380) ; J5.238@2774.33,1648.03 v1(2870,1648.03)
  Solder Side w10: v1(2450,1380) 2450,1560 2538.03,1648.03 v1(2870,1648.03)
IPMC_HA4: J5.117 SW1.12 | length 725.9
  Component Side w10: SW1.12@2250,1130 2490,1370 2490,1550 2564.41,1624.41 J5.117@2665.67,1624.41
IPMC_HA5: J5.239 SW1.11 | length 1048.6
  Component Side w10: SW1.11@2221.42,1070 2240,1070 v1(2490,1320) ; J5.239@2774.33,1624.41 v1(2840,1624.41)
  Solder Side w10: v1(2490,1320) 2490,1550 2564.41,1624.41 v1(2840,1624.41)
IPMC_HA6: J5.118 SW1.10 | length 801
  Component Side w10: SW1.10@2240,1020 2530,1310 2530,1540 2590.79,1600.79 J5.118@2665.67,1600.79
IPMC_HA7: J5.240 SW1.9 | length 1169.6
  Component Side w10: SW1.9@2221.42,970 2240,970 v1(2530,1260) ; J5.240@2774.33,1600.79 v1(2870,1600.79)
  Solder Side w10: v1(2530,1260) 2530,1540 2590.79,1600.79 v1(2870,1600.79)
IPMC_HNDL_SW: J5.224 SW4.9 | length 2379.4
  Component Side w10: J5.224@2774.33,1978.74 v1(2870,1978.74) ; SW4.9@3920,570 v1(3920,820)
  Solder Side w10: v1(2870,1978.74) 3021.26,1978.74 3120,1880 3120,1020 3280,860 3880,860 v1(3920,820)
IPMC_JMST_TCK: J5.231 P5.3 | length 705
  Component Side w8: J5.231@2774.33,1813.39 3413.39,1813.39 P5.3@3460,1860
IPMC_JMST_TDI: J5.232 P5.7 | length 739.4
  Component Side w8: J5.232@2774.33,1789.76 2850.24,1789.76 2880,1760 3360,1760 P5.7@3460,1660
IPMC_JMST_TDO: J5.109 P5.1 | length 1046.4
  Component Side w8: v1(2570,1813.39) J5.109@2665.67,1813.39 ; v5(2900,1840) 3340,1840 P5.1@3460,1960
  Solder Side w8: v1(2570,1813.39) 2853.39,1813.39 2880,1840 v5(2900,1840)
IPMC_JMST_TMS: J5.110 P5.5 | length 918.2
  Component Side w8: v1(2610,1789.76) J5.110@2665.67,1789.76 ; v1(2900,1790) 3430,1790 P5.5@3460,1760
  Solder Side w8: v1(2610,1789.76) 2899.76,1789.76 v1(2900,1790)
IPMC_JTAG_TCK: J5.234 J6.6 P4.7 | length 1529.8
  Component Side w8: J5.234@2774.33,1742.52 2850,1742.52 2862.52,1730 3190,1730 3380,1540 3580,1540 3610,1510 3610,1440 P4.7@3660,1390 ; J6.6@3441.26,1107.72 3424.49,1124.49 3460,1160 v1(3480,1160)
  Solder Side w8: v1(3480,1160) 3580,1160 3660,1240 P4.7@3660,1390
IPMC_JTAG_TDI: J5.235 J6.10 P4.3 | length 1286
  Component Side w8: J5.235@2774.33,1718.9 2841.1,1718.9 3220,1340 3410,1340 P4.3@3460,1390 ; v1(3560,1100) 3591.02,1100 J6.10@3598.74,1107.72
  Solder Side w8: P4.3@3460,1390 3450,1380 3450,1140 3490,1100 v1(3560,1100)
IPMC_JTAG_TDO: J5.112 J6.8 P4.5 | length 1504.1
  Component Side w8: v1(2570,1742.52) J5.112@2665.67,1742.52 ; v1(2940,1700) 2960,1700 3220,1440 3510,1440 P4.5@3560,1390 ; J6.8@3530,1150 3560,1180 v1(3560,1190)
  Solder Side w8: v1(2570,1742.52) 2887.48,1742.52 2930,1700 v1(2940,1700) ; P4.5@3540,1390 P4.5@3560,1390 v1(3560,1190)
IPMC_JTAG_TMS: J5.113 J6.4 P4.1 | length 1225.2
  Component Side w8: v1(2610,1718.9) J5.113@2665.67,1718.9 ; v1(2940,1670) 3220,1390 P4.1@3360,1390 ; v1(3360,1190) 3360,1110.24 J6.4@3362.52,1107.72
  Solder Side w8: v1(2610,1718.9) 2841.1,1718.9 2890,1670 v1(2940,1670) ; v1(3360,1190) P4.1@3360,1390
IPMC_PG_A: J5.228 SW4.15 | length 2016.8
  Component Side w10: J5.228@2774.33,1884.25 v1(2870,1884.25) ; SW4.15@3620,570 v1(3620,700)
  Solder Side w10: v1(2870,1884.25) 2955.75,1884.25 3000,1840 3000,900 3200,700 v1(3620,700)
IPMC_PG_B: J5.229 SW4.16 | length 1916.1
  Component Side w10: J5.229@2774.33,1860.63 v1(2840,1860.63) ; v1(3530,650) 3570,610 SW4.16@3570,570
  Solder Side w10: v1(2840,1860.63) 2939.37,1860.63 2970,1830 2970,870 3190,650 v1(3530,650)
IPMC_UART_RX: J5.60 R11.2 | length 3065.1
  Component Side w8: R11.2@770,1369.53 770,1610 820,1660 1580,1660 2050,2130 2050,2670 2468.98,3088.98 J5.60@2665.67,3088.98
IPMC_UART_TX: J5.57 R21.2 | length 156.1
  Component Side w8: R21.2@2509.53,3159.84 J5.57@2665.67,3159.84
MMC0_GA0: J4.15 SW2.10 | length 385.3
  Component Side w10: J4.15@1649.92,4045.59 1775.59,4045.59 1840,4110 SW2.10@2008.58,4110
MMC0_GA1: J4.13 SW2.11 | length 380.9
  Component Side w10: J4.13@1649.92,4006.22 1816.22,4006.22 1870,4060 SW2.11@2008.58,4060
MMC0_GA2: J4.11 SW2.12 | length 376.5
  Component Side w10: J4.11@1649.92,3966.85 1846.85,3966.85 1890,4010 SW2.12@2008.58,4010
MMC0_MODSW: J4.21 SW2.9 | length 360.2
  Component Side w10: J4.21@1649.92,4163.7 2004.88,4163.7 SW2.9@2008.58,4160
MMC0_PWREN: J4.22 R5.1 | length 1254.9
  Component Side w10: R5.1@379.53,4440 655.83,4163.7 J4.22@1520,4163.7
MMC0_SCL: J4.14 J5.26 J7.148 | length 3088.6
  Component Side w8: v1(2610,3892.13) J5.26@2665.67,3892.13 ; J7.148@4334.33,3892.13 v1(4390,3892.13)
  Solder Side w8: v1(1460,4006.22) 1803.78,4006.22 1917.87,3892.13 v1(2610,3892.13) v1(4390,3892.13)
MMC0_SDA: J4.16 J5.27 J7.149 | length 3383
  Component Side w8: v1(2570,3868.5) J5.27@2665.67,3868.5 ; J7.149@4334.33,3868.5 v1(4430,3868.5)
  Solder Side w8: v1(1460,4045.59) 1445.59,4045.59 1420,4020 1420,3960 1450,3930 1560,3930 1600,3970 1790,3970 1890,3870 2568.5,3870 v1(2570,3868.5) v1(4430,3868.5)
MMC0_SENSE3: J4.8 R15.2 R16.1
MMC1_GA0: J3.15 SW2.14 | length 1967.7
  Component Side w10: J3.15@1649.92,2175.12 1725.12,2175.12 1870,2320 1870,3840 1940,3910 SW2.14@2008.58,3910
MMC1_GA1: J3.13 SW2.15 | length 1957.4
  Component Side w10: J3.13@1649.92,2135.75 1745.75,2135.75 1910,2300 1910,3810 1960,3860 SW2.15@2008.58,3860
MMC1_GA2: J3.11 SW2.16 | length 1908.6
  Component Side w10: J3.11@1649.92,2096.38 1766.38,2096.38 1950,2280 1950,3770 SW2.16@1980,3800
MMC1_MODSW: J3.21 SW2.13 | length 1910.2
  Component Side w10: J3.21@1649.92,2293.23 1723.23,2293.23 1830,2400 1830,3870 1920,3960 SW2.13@2008.58,3960
MMC1_PWREN: J3.22 R2.1 | length 1242.7
  Component Side w10: R2.1@379.53,2540 626.3,2293.23 J3.22@1520,2293.23
MMC1_SCL: J3.14 J5.37 J7.159 | length 4718.7
  Component Side w8: v1(2570,3632.28) J5.37@2665.67,3632.28 ; J7.159@4334.33,3632.28 v1(4430,3632.28)
  Solder Side w8: v1(1460,2135.75) 1434.25,2135.75 1290,2280 1290,3300 1622.28,3632.28 v1(2570,3632.28) v1(4430,3632.28)
MMC1_SDA: J3.16 J5.38 J7.160 | length 4463.8
  Component Side w8: v1(2610,3608.66) J5.38@2665.67,3608.66 ; J7.160@4334.33,3608.66 v1(4390,3608.66)
  Solder Side w8: v1(1460,2175.12) 1340,2295.12 1340,3300 1648.66,3608.66 v1(2610,3608.66) v1(4390,3608.66)
MMC1_SENSE3: J3.8 R13.2 R14.1
MP_ENA_0: J5.28 J7.150 P3.7 | length 3452.3
  Component Side w8: P3.7@2070,5150 2490,4730 2490,3910 2555.12,3844.88 v1(2610,3844.88) J5.28@2665.67,3844.88 ; J7.150@4334.33,3844.88 v1(4390,3844.88)
  Solder Side w8: v1(2610,3844.88) v1(4390,3844.88)
MP_ENA_1: J5.150 J7.28 | length 1451.3
  Component Side w8: J5.150@2774.33,3844.88 J7.28@4225.67,3844.88
MP_ENA_2: J5.39 J7.161 P2.7 | length 2607.3
  Component Side w8: P2.7@2070,3450 2205.04,3585.04 v1(2570,3585.04) J5.39@2665.67,3585.04 ; J7.161@4334.33,3585.04 v1(4430,3585.04)
  Solder Side w8: v1(2570,3585.04) v1(4430,3585.04)
MP_ENA_3: J5.161 J7.39 | length 1451.3
  Component Side w8: J5.161@2774.33,3585.04 J7.39@4225.67,3585.04
MP_ENA_4: J5.50 J7.50 | length 1751.3
  Component Side w8: v1(2570,3325.2) J5.50@2665.67,3325.2 ; v1(3270,3325.2) J7.50@4225.67,3325.2
  Solder Side w8: v1(2570,3325.2) v1(3270,3325.2)
MP_FLT_0: J5.32 J7.154 P3.3 | length 3208.6
  Component Side w8: P3.3@2070,4750 2330,4490 2330,3870 2449.61,3750.39 v1(2610,3750.39) J5.32@2665.67,3750.39 ; J7.154@4334.33,3750.39 v1(4390,3750.39)
  Solder Side w8: v1(2610,3750.39) v1(4390,3750.39)
MP_FLT_1: J5.154 J7.32 | length 1451.3
  Component Side w8: J5.154@2774.33,3750.39 J7.32@4225.67,3750.39
MP_FLT_2: J5.43 J7.165 P2.3 | length 2733.8
  Component Side w8: P2.3@2070,3050 2510.55,3490.55 v1(2570,3490.55) J5.43@2665.67,3490.55 ; J7.165@4334.33,3490.55 v1(4430,3490.55)
  Solder Side w8: v1(2570,3490.55) v1(4430,3490.55)
MP_FLT_3: J5.165 J7.43 | length 1451.3
  Component Side w8: J5.165@2774.33,3490.55 J7.43@4225.67,3490.55
MP_FLT_4: J5.54 J7.54 | length 1751.3
  Component Side w8: v1(2570,3230.71) J5.54@2665.67,3230.71 ; v1(3270,3230.71) J7.54@4225.67,3230.71
  Solder Side w8: v1(2570,3230.71) v1(3270,3230.71)
MP_PG_0: J5.30 J7.152 P3.5 | length 3330.4
  Component Side w8: P3.5@2070,4950 2410,4610 2410,3890 2502.36,3797.64 v1(2610,3797.64) J5.30@2665.67,3797.64 ; J7.152@4334.33,3797.64 v1(4390,3797.64)
  Solder Side w8: v1(2610,3797.64) v1(4390,3797.64)
MP_PG_1: J5.152 J7.30 | length 1451.3
  Component Side w8: J5.152@2774.33,3797.64 J7.30@4225.67,3797.64
MP_PG_2: J5.41 J7.163 P2.5 | length 2670.5
  Component Side w8: P2.5@2070,3250 2357.8,3537.8 v1(2570,3537.8) J5.41@2665.67,3537.8 ; J7.163@4334.33,3537.8 v1(4430,3537.8)
  Solder Side w8: v1(2570,3537.8) v1(4430,3537.8)
MP_PG_3: J5.163 J7.41 | length 1451.3
  Component Side w8: J5.163@2774.33,3537.8 J7.41@4225.67,3537.8
MP_PG_4: J5.52 J7.52 | length 1751.3
  Component Side w8: v1(2570,3277.95) J5.52@2665.67,3277.95 ; v1(3270,3277.95) J7.52@4225.67,3277.95
  Solder Side w8: v1(2570,3277.95) v1(3270,3277.95)
NetD1_1: D1.1 R1.2 | length 164.3
  Component Side w10: D1.1@170,2041.5 318.98,2041.5 R1.2@320.47,2040 R1.2@333.66,2040
NetD2_1: D2.1 R2.2 | length 164.3
  Component Side w10: D2.1@170,2541.5 318.98,2541.5 R2.2@320.47,2540 R2.2@333.66,2540
NetD3_1: D3.1 R3.2 | length 164.3
  Component Side w10: D3.1@170,2991.5 171.5,2990 R3.2@333.66,2990
NetD4_1: D4.1 R4.2 | length 164.3
  Component Side w10: D4.1@170,3891.5 318.98,3891.5 R4.2@320.47,3890 R4.2@333.66,3890
NetD5_1: D5.1 R5.2 | length 164.9
  Component Side w10: D5.1@170,4442.99 317.48,4442.99 R5.2@320.47,4440 R5.2@333.66,4440
NetD6_1: D6.1 R6.2 | length 164.9
  Component Side w10: D6.1@170,4892.99 330.67,4892.99 R6.2@333.66,4890